# Altium PCB PCB1.PcbDoc
Units mil, origin at the board's own origin, x right, y up, seen from the top; angles counter-clockwise.
Board outline 4471 x 1881 mil, 2 copper layers (Top Layer, Bottom Layer); 46 components, 125 nets, 271 pads, 114 vias.
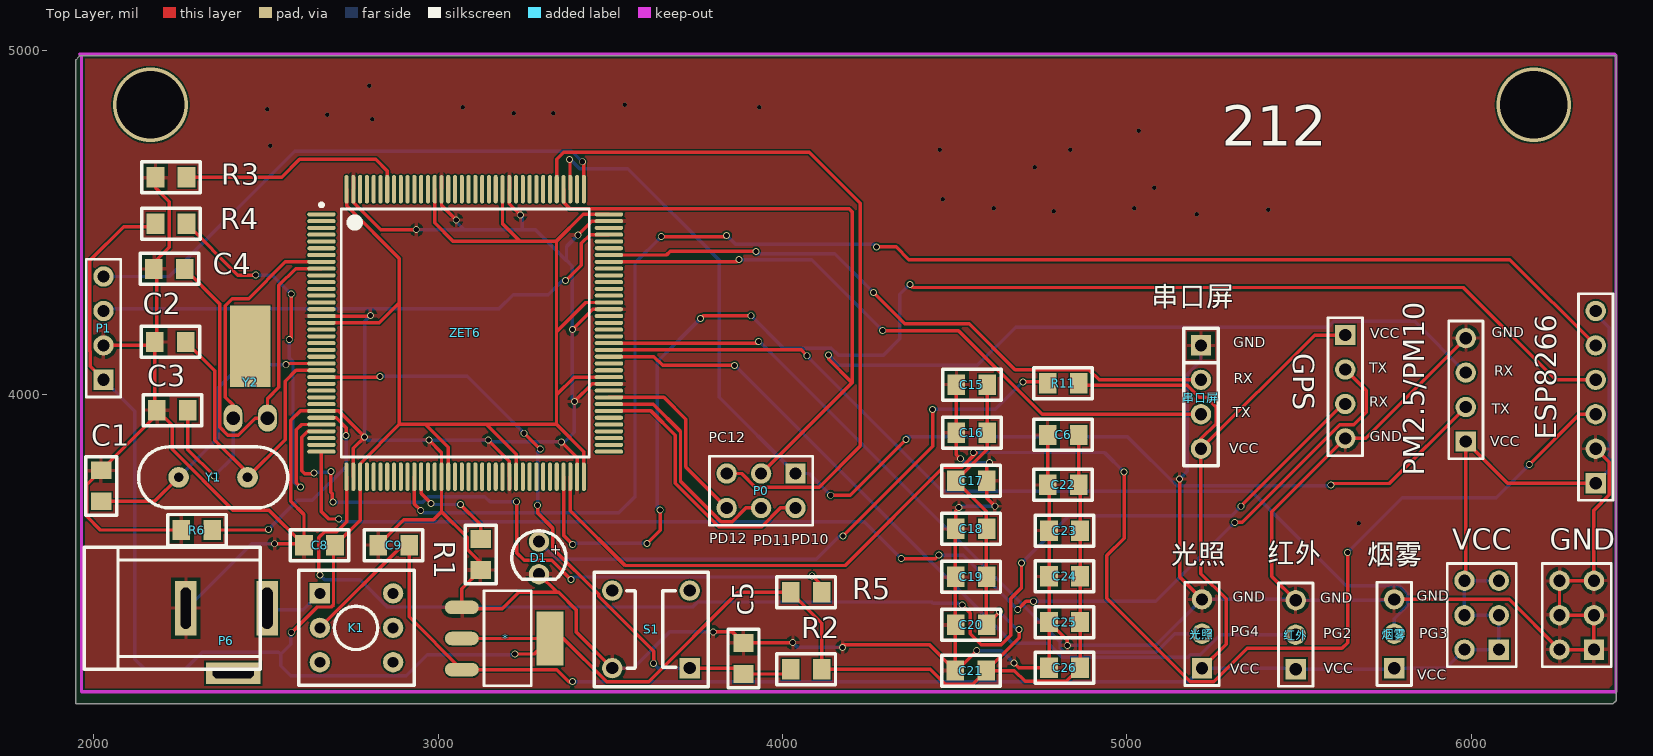
[diagram p0: Top Layer view]
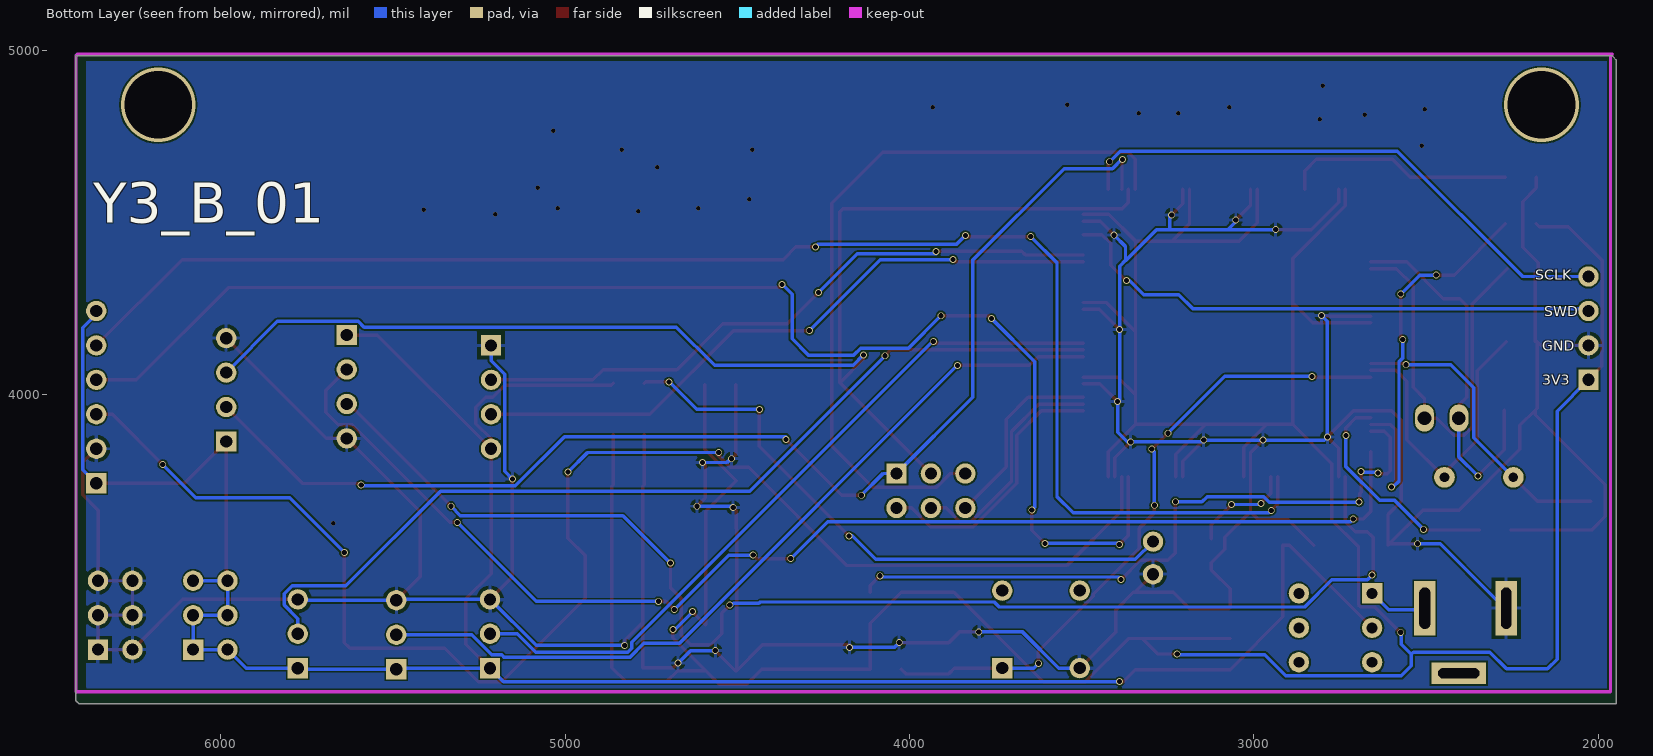
[diagram p1: Bottom Layer view, seen from below]
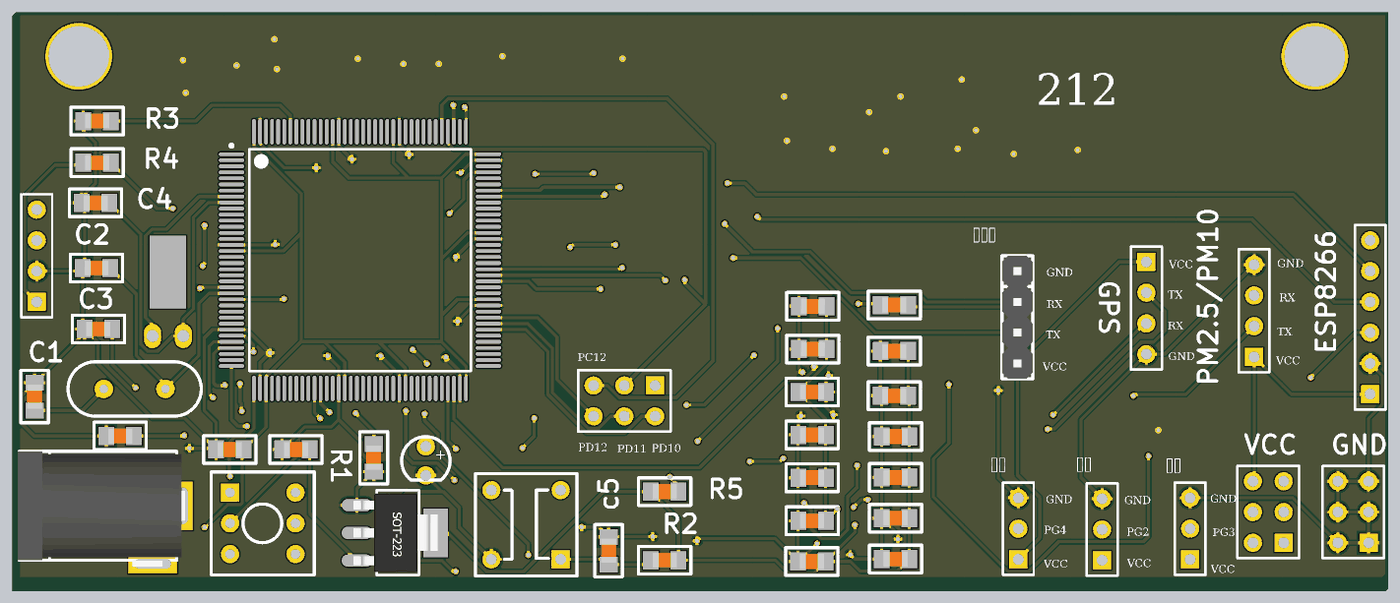
[diagram p2: 3D render of the assembled board from above, using the file's embedded part models]

## Layer stack, top to bottom
Top Layer: signal copper 1.4
Dielectric: dielectric 12.6, FR-4, Dk 4.8
Bottom Layer: signal copper 1.4

## Board outline
1956,4981 1960,4985 6420,4985 6420,3112 6419,3111 6412,3104 1949,3104 1949,4973

## Design rules (kind name [scope] priority, off if disabled: settings)
Clearance [All] p1: gap=5
PolygonConnect [All] p1: connectstyle=Relief reliefconductorwidth=10 reliefentries=4 polygonreliefangle="90 Angle" airgapwidth=10
RoutingVias [All] p1: holewidth=15 width=20 viastyle="Through Hole" minholewidth=15 minwidth=20 maxholewidth=28 maxwidth=50
SilkscreenOverComponentPads [All] p1: minsilkscreentomaskgap=10
SolderMaskExpansion [All] p1: expansion=4
Width [All] p1: maxlimit=10 minlimit=10 preferedwidth=10
27 further rules are at their usual default settings.

## Components (designator, comment, footprint, x,y, rotation, side; value= is the part's Value field where it differs from the comment)
* "ASM1117" SOT-223 3325,3293 r270 top
C1 "Cap" C0805 2022,3736 r270 top
C2 "Cap" C0805 2223,4154 r0 top
C3 "Cap" C0805 2229,3956 r0 top
C4 "Cap" C0805 2220,4366 r0 top
c5 "Cap" C0805 3887,3235 r270 top
C6 "Cap Semi" C0805 4815,3884 r0 top
C8 "Cap" C0805 2656,3564 r0 top
C9 "Cap" C0805 2871,3564 r0 top
C15 "Cap" C0805 4550,4030 r0 top
C16 "Cap" C0805 4550,3890.5 r0 top
C17 "Cap" C0805 4548,3751 r0 top
C18 "Cap" C0805 4548,3611.5 r0 top
C19 "Cap" C0805 4548,3472 r0 top
C20 "Cap" C0805 4548,3332.5 r0 top
C21 "Cap" C0805 4547,3200 r0 top
C22 "Cap" C0805 4815,3739 r0 top
C23 "Cap" C0805 4819,3606.25 r0 top
C24 "Cap" C0805 4819,3473.5 r0 top
C25 "Cap" C0805 4819,3340.75 r0 top
C26 "Cap" C0805 4819,3208 r0 top
D1 "LED3" 3MMLED 3293,3527 r270 top
ESP8266 "A10" HDR1X6 6361,3744 r90 top
GND "Header 3X2H" HDR2X3_CEN 6356,3260.71 r90 top
GPS "Header 4" HDR1X4 5634,4174 r270 top
K1 "BUTTON" BTN8.5*8.5 2657,3424 r0 top
P0 "Header 3X2" HDR2X3 4038,3772 r180 top
P1 "Header 4" HDR1X4 2029,4044 r90 top
P6 "PWR2.5" DCIN 2504,3381 r180 top
PM2.5/PM10 "Header 4" HDR1X4 5984,3865 r90 top
R1 "Res2" C0805 3124,3537 r270 top
R2 "Res2" C0805 4069,3204 r0 top
R3 "Res2" C0805 2225,4632 r180 top
R4 "Res2" C0805 2225,4497 r0 top
R5 "Res2" C0805 4069,3427 r0 top
R6 "Res2" C0805 2300,3608 r180 top
R11 "Res2" C0805 4815,4034 r180 top
S1 "SW-PB" key4 3731,3207 r90 top
VCC "Header 3X2H" HDR2X3_CEN 6080,3260.71 r90 top
Y1 "8MH" XTAL1 2247,3761 r0 top
Y2 "32.76MH" CY-W 2505,3933 r90 top
ZET6 "MCU" LQFP144 3079,4180 r0 top
串口屏 "串口屏" HDR1X4 5215,4144 r270 top
光照 "Header 3" HDR1X3 5218,3206.65 r90 top
烟雾 "Header 3" HDR1X3 5776,3206.65 r90 top
红外 "Header 3" HDR1X3 5490,3204 r90 top

## Footprints (in the part's own frame and the unit in brackets; to place one, negate y for a bottom-side part, rotate by r counter-clockwise, add the part's x,y. Pads: shape width x height; smd on the part's side, far side on the other; paste and mask are expansions set on the pad)
3MMLED [mm]
  round 1.5 hole 0.9: 1(-1.2,0) 2(1.2,0)
  silkscreen extent -2,-2 1.59,2
BTN8.5*8.5 [mm]
  rect 1.5x1.5 hole 0.8: 1(0,0)
  round 1.5 hole 0.8: 2(0,-2.54) 3(0,-5.08) 4(5.4,-5.08) 5(5.4,-2.54) 6(5.4,0)
  silkscreen extent -1.55,-6.79 6.95,1.71
C0805 [mm]
  rect 1.3x1.5 smd: 1(-1.143,0) 2(1.143,0)
  silkscreen extent -2.16,-1.14 2.16,1.14, body extent -1,-0.63 1,0.63, height 0.6
CY-W [mm]
  oval 2x1.4 hole 1: 1(0,2.54) 2(0,0)
  rect 6x3 smd: 3(5.283,1.27)
  body extent 1.27,-0.28 8.33,2.82, height 3
DCIN [mm]
  rect 1.6x4 hole 0.8 slot 3.048 at 90 deg: 1(0,0)
  rect 1.6x4 hole 0.762 slot 3.048 at 90 deg: 2(6,0)
  rect 4x1.6 hole 0.762 slot 3.048 at 0 deg: 3(2.5,4.8)
  silkscreen extent 0.52,-4.5 13.5,4.5, body extent -0.2,-4.5 13.62,5, height 11.2
HDR1X3 [mm] "Connector; Header; 3 Po"
  rect 1.5x1.5 hole 0.9: 1(0,0)
  round 1.5 hole 0.9: 2(2.54,0) 3(5.08,0)
  silkscreen extent -1.27,-1.27 6.35,1.27
HDR1X4 [mm] "Connector; Header; 4 Position"
  rect 1.5x1.5 hole 0.9: 1(0,0)
  round 1.5 hole 0.9: 2(2.54,0) 3(5.08,0) 4(7.62,0)
  silkscreen extent -1.27,-1.27 8.89,1.27
HDR1X6 [mm] "Connector; Header; 6 Position"
  rect 1.5x1.5 hole 0.9: 1(0,0)
  round 1.5 hole 0.9: 2(2.54,0) 3(5.08,0) 4(7.62,0) 5(10.16,0) 6(12.7,0)
  silkscreen extent -1.27,-1.27 13.97,1.27
HDR2X3 [mm] "Connector; Header; 3x2 Position"
  rect 1.5x1.5 hole 0.9: 1(0,0)
  round 1.5 hole 0.9: 2(0,2.54) 3(2.54,0) 4(2.54,2.54) 5(5.08,0) 6(5.08,2.54)
  silkscreen extent -1.27,-1.27 6.35,3.81
HDR2X3_CEN [mm] "Connector; Header; 3x2 Position"
  rect 1.5x1.5 hole 0.9: 1(0,0)
  round 1.5 hole 0.9: 2(2.54,0) 3(5.08,0) 4(0,2.54) 5(2.54,2.54) 6(5.08,2.54)
  silkscreen extent -1.27,-1.27 6.35,3.81
key4 [mm]
  round 1.5 hole 0.9: 1(0,5.715) 3(5.715,0) 4(5.715,5.715)
  rect 1.5x1.5 hole 0.9: 2(0,0)
  silkscreen extent -1.37,-1.35 7.09,7.04
LQFP144 [mm] "144-Pin Thin Quad Flat Pack 0.5 mm Pitch, IPC"
  oval 2.1x0.3 smd: 1(-10.6,8.75) 2(-10.6,8.25) 3(-10.6,7.75) 4(-10.6,7.25) 5(-10.6,6.75) 6(-10.6,6.25) 7(-10.6,5.75) 8(-10.6,5.25) 9(-10.6,4.75) 10(-10.6,4.25) 11(-10.6,3.75) 12(-10.6,3.25) 13(-10.6,2.75) 14(-10.6,2.25) 15(-10.6,1.75) 16(-10.6,1.25) 17(-10.6,0.75) 18(-10.6,0.25) 19(-10.6,-0.25) 20(-10.6,-0.75) 21(-10.6,-1.25) 22(-10.6,-1.75) 23(-10.6,-2.25) 24(-10.6,-2.75) 25(-10.6,-3.25) 26(-10.6,-3.75) 27(-10.6,-4.25) 28(-10.6,-4.75) 29(-10.6,-5.25) 30(-10.6,-5.75) 31(-10.6,-6.25) 32(-10.6,-6.75) 33(-10.6,-7.25) 34(-10.6,-7.75) 35(-10.6,-8.25) 36(-10.6,-8.75) 73(10.6,-8.75) 74(10.6,-8.25) 75(10.6,-7.75) 76(10.6,-7.25) 77(10.6,-6.75) 78(10.6,-6.25) 79(10.6,-5.75) 80(10.6,-5.25) 81(10.6,-4.75) 82(10.6,-4.25) 83(10.6,-3.75) 84(10.6,-3.25) 85(10.6,-2.75) 86(10.6,-2.25) 87(10.6,-1.75) 88(10.6,-1.25) 89(10.6,-0.75) 90(10.6,-0.25) 91(10.6,0.25) 92(10.6,0.75) 93(10.6,1.25) 94(10.6,1.75) 95(10.6,2.25) 96(10.6,2.75) 97(10.6,3.25) 98(10.6,3.75) 99(10.6,4.25) 100(10.6,4.75) 101(10.6,5.25) 102(10.6,5.75) 103(10.6,6.25) 104(10.6,6.75) 105(10.6,7.25) 106(10.6,7.75) 107(10.6,8.25) 108(10.6,8.75)
  oval 0.3x2.1 smd: 37(-8.75,-10.6) 38(-8.25,-10.6) 39(-7.75,-10.6) 40(-7.25,-10.6) 41(-6.75,-10.6) 42(-6.25,-10.6) 43(-5.75,-10.6) 44(-5.25,-10.6) 45(-4.75,-10.6) 46(-4.25,-10.6) 47(-3.75,-10.6) 48(-3.25,-10.6) 49(-2.75,-10.6) 50(-2.25,-10.6) 51(-1.75,-10.6) 52(-1.25,-10.6) 53(-0.75,-10.6) 54(-0.25,-10.6) 55(0.25,-10.6) 56(0.75,-10.6) 57(1.25,-10.6) 58(1.75,-10.6) 59(2.25,-10.6) 60(2.75,-10.6) 61(3.25,-10.6) 62(3.75,-10.6) 63(4.25,-10.6) 64(4.75,-10.6) 65(5.25,-10.6) 66(5.75,-10.6) 67(6.25,-10.6) 68(6.75,-10.6) 69(7.25,-10.6) 70(7.75,-10.6) 71(8.25,-10.6) 72(8.75,-10.6) 109(8.75,10.6) 110(8.25,10.6) 111(7.75,10.6) 112(7.25,10.6) 113(6.75,10.6) 114(6.25,10.6) 115(5.75,10.6) 116(5.25,10.6) 117(4.75,10.6) 118(4.25,10.6) 119(3.75,10.6) 120(3.25,10.6) 121(2.75,10.6) 122(2.25,10.6) 123(1.75,10.6) 124(1.25,10.6) 125(0.75,10.6) 126(0.25,10.6) 127(-0.25,10.6) 128(-0.75,10.6) 129(-1.25,10.6) 130(-1.75,10.6) 131(-2.25,10.6) 132(-2.75,10.6) 133(-3.25,10.6) 134(-3.75,10.6) 135(-4.25,10.6) 136(-4.75,10.6) 137(-5.25,10.6) 138(-5.75,10.6) 139(-6.25,10.6) 140(-6.75,10.6) 141(-7.25,10.6) 142(-7.75,10.6) 143(-8.25,10.6) 144(-8.75,10.6)
  silkscreen extent -10.72,-9.15 9.15,9.57, body extent -10,-10 10,10, height 1.6
SOT-223 [mm]
  oval 1x2.5 smd: 1(-2.29,-6.5) 2(0,-6.5) 3(2.29,-6.5)
  rect 4x2 smd: 2(0,0)
  silkscreen extent -3.52,-4.87 3.48,-1.37, body extent -3.25,-6.78 3.25,0.18, height 1.68
XTAL1 [mil]
  round 60 hole 28: 1(0,0) 2(200,0)
  silkscreen extent -116,-88 316,88, body extent -123,-92 329,92, height 138

## Part data
C1 C2 C3 C4 c5 C8 C9 C15 C16 C17 C18 C19 C20 C21 C22 C23 C24 C25 C26: "Capacitor"
C6: "Capacitor (Semiconductor SIM Model)"
ESP8266 ZET6: library part Component_1
GND VCC: "Header, 3-Pin, Dual row, Right Angle"
GPS P1 PM2.5/PM10: "Header, 4-Pin"
P0: "Header, 3-Pin, Dual row"
P6: "Low Voltage Power Supply Connector"
R1 R2 R3 R4 R5 R6 R11: "Resistor"
Y1: library part XTAL
光照 烟雾 红外: "Header, 3-Pin"

## Via types
v1: diameter 20, hole 15, Top Layer to Bottom Layer, 90 vias
v2: diameter 13, hole 13, Top Layer to Bottom Layer, 22 vias
v3: diameter 216.54, hole 196.85, Top Layer to Bottom Layer, 2 vias

## Nets (pads, with @x,y where several pads share a name; then routed paths per layer and width w, separated by ;. In a path a pad name is that pad's centre, name@x,y a point inside that pad or via, vN(x,y) a via of type N, cw(c..) or ccw(c..) an arc to the next point about the centre after c; other vN are vias at no path point)
BOOT0: R3.1 ZET6.138 | length 671.1
  Top Layer w10: R3.1 2546,4632 2598,4684 2819,4684 2852.62,4650.38 ZET6.138
NetD1_1: D1.1 R11.2 | length 1775.9
  Top Layer w10: v1(4176,3591) 4436,3851 v1(4436,3958) ; v1(4698,4038) 4766,4038 R11.2
  Bottom Layer w10: D1.1 3344.24,3523 4098,3523 4166,3591 v1(4176,3591) ; v1(4436,3958) 4618,3958 v1(4698,4038)
NetK1_1: K1.1 P6.1 | length 172.9
  Bottom Layer w10: P6.1@2504,3376 2609,3376 K1.1
NetP6_3: P6.3
NRST: c5.2 R2.1 S1.2 ZET6.25 | length 1905.1
  Top Layer w10: ZET6.25 2830.05,4052.05 v1(2832,4054) ; v1(3250,3889) 3251,3889 v1(3297,3843) ; v1(3289,3680) 3289,3657.3 3332.53,3613.77 3332.53,3555.47 3466.47,3421.53 3466.47,3415.63 3626,3256.1 v1(3626,3221) ; S1.2 3870,3207 c5.2 4010,3190 R2.1
  Bottom Layer w10: v1(2832,4054) 3085,4054 v1(3250,3889) ; v1(3289,3680) 3289,3835 v1(3297,3843) ; v1(3626,3221) 3640,3207 S1.2
OSC_IN: C1.2 Y1.1 ZET6.23 | length 890.5
  Top Layer w10: C1.2 2177,3691 Y1.1 ; v1(2559,4088) 2562.42,4091.42 ZET6.23
  Bottom Layer w10: Y1.1 2362,3876 2362,4021 2429,4088 v1(2559,4088)
OSC_OUT: C2.2 Y1.2 ZET6.24 | length 910.1
  Top Layer w10: C2.2 2352,4070 2352,3869.07 2447,3774.07 Y1.2 2556,3870 2556,4040 2587.73,4071.73 ZET6.24
PA0: ZET6.34
PA1: ZET6.35
PA2: GPS.2 ZET6.36 | length 3720.8
  Top Layer w10: ZET6.36 2661.68,3661.32 2683,3640 v1(2712,3640) ; v1(4345,3525) 4444,3525 v1(4454,3535) ; v1(4683,3377) 4707,3401 v1(4729,3401) ; v1@5312,3631 5335.1,3631 5617.63,3913.53 5658.53,3913.53 5695,3950 5695,4013 GPS.2
  Bottom Layer w10: v1(2712,3640) 2719.53,3632.47 4237.53,3632.47 v1(4345,3525) ; v1(4454,3535) 4525,3535 v1(4683,3377) ; v1(4729,3401) 5084,3401 v1(5313,3630)
PA3: GPS.3 ZET6.37 | length 3842
  Top Layer w10: v1(2657,3477) 2654,3480 2654,3586.26 2671.27,3603.53 2705.53,3603.53 2734.51,3632.51 ZET6.37 ; v1(4522,3390) 4545,3367 4545,3307 4577,3275 4635,3275 4663,3303 4663,3409.21 4694,3440.21 v1(4694,3512) ; v1(5331,3677) 5628,3974 GPS.3
  Bottom Layer w10: v1(2657,3477) 2670.47,3463.53 2774.17,3463.53 2853.23,3384.47 3739.37,3384.47 3753.9,3399 4433,3399 4437,3395 4511,3395 4516,3390 v1(4522,3390) ; v1(4694,3512) 4832,3650 5304,3650 v1(5331,3677)
PA4: ZET6.40
PA5: ZET6.41
PA6: ZET6.42
PA7: ZET6.43
PA8: ZET6.100
PA9: ZET6.101 串口屏.3 | length 1907.3
  Top Layer w10: ZET6.101 3867.69,4386.69 v1(3874,4393) ; v1(4291,4187) 4511,4187 4754,3944 串口屏.3
  Bottom Layer w10: v1(3874,4393) 4085,4393 v1(4291,4187)
PA10: ZET6.102 串口屏.2 | length 1881.7
  Top Layer w10: ZET6.102 3663.38,4406.38 3674,4417 v1(3923,4417) ; v1(4264,4298) 4355,4207 4541.74,4207 4675.21,4073.53 4889.73,4073.53 4919.26,4044 串口屏.2
  Bottom Layer w10: v1(3923,4417) 3923,4410 4152,4410 v1(4264,4298)
PA11: ZET6.103
PA12: ZET6.104
PA13: P1.3 ZET6.105 | length 1595.9
  Top Layer w10: v1(3370,4332) 3371,4332 3416,4377 3416,4440 3441.43,4465.43 ZET6.105
  Bottom Layer w10: P1.3 2036,4251 3178,4251 3218,4291 3320,4291 3361,4332 v1(3370,4332)
PA14: P1.4 ZET6.109 | length 1635.2
  Top Layer w10: v1(3419,4677) 3423.49,4672.51 ZET6.109
  Bottom Layer w10: P1.4 2220,4344 2584,4708 3388,4708 v1(3419,4677)
PA15: ZET6.110
PB0: ZET6.46
PB1: ESP8266.5 ZET6.47 | length 4382.6
  Top Layer w10: ZET6.47 2931.36,3683.64 v1(2950,3665) ; v1(3648,4460) 3835,4460 v1(3838,4463) ; v1(4273,4430) 4330,4430 4367,4393 6112,4393 ESP8266.5
  Bottom Layer w10: v1(2950,3665) 2957,3658 3525,3658 3572,3705 3572,4384 v1(3648,4460) ; v1(3838,4463) 3864,4437 4266,4437 v1(4273,4430)
PB2: R1.1 ZET6.48 | length 300.4
  Top Layer w10: ZET6.48 2951.05,3713.95 v1(2980,3685) ; v1(3065,3682) 3124,3623 R1.1
  Bottom Layer w10: v1(2980,3685) 2983,3682 v1(3065,3682)
PB3: ZET6.133
PB4: ZET6.134
PB5: ZET6.135
PB6: ZET6.136
PB7: ZET6.137
PB8: ZET6.139
PB9: ZET6.140
PB10: ESP8266.4 ZET6.69 | length 4073.5
  Top Layer w10: ZET6.69 3364.43,3592.57 v1(3391,3566) ; v1(3607,3569) 3645,3607 v1(3645,3666) ; v1(3762,4222) 3770,4230 v1(3909,4230) ; v1(4370,4321) 4379,4312 5977,4312 6245,4044 ESP8266.4
  Bottom Layer w10: v1(3391,3566) 3394,3569 v1(3607,3569) ; v1(3645,3666) 3637,3674 3637,4097 v1(3762,4222) ; v1(3909,4230) 4003,4136 4142.28,4136 4162.28,4116 4294,4116 4341,4163 4341,4292 v1(4370,4321)
PB11: ESP8266.3 ZET6.70 | length 4333
  Top Layer w10: ZET6.70 3384.12,3663.88 3543,3505 4181.88,3505 4467.41,3790.53 4520.81,3790.53 4563.39,3833.11 v1(4553.89,3833.11) ; v1(4992,3776) 4992,3584 4942,3534 4942,3409.45 5184.33,3167.12 5251.67,3167.12 5349.02,3264.47 5624.47,3264.47 5641,3281 v1(5641,3543) ; v1(6168,3798) 6314,3944 ESP8266.3
  Bottom Layer w10: v1(4553.89,3833.11) 4934.89,3833.11 v1(4992,3776) ; v1(5641,3543) 5800,3702 6072,3702 v1(6168,3798)
PB12: ZET6.73
PB13: ZET6.74
PB14: ZET6.75
PB15: ZET6.76
PC0: ZET6.26
PC1: ZET6.27
PC2: ZET6.28
PC3: ZET6.29
PC4: ZET6.44
PC5: ZET6.45
PC6: ZET6.96
PC7: ZET6.97
PC8: ZET6.98
PC9: ZET6.99
PC10: P0.1 PM2.5/PM10.2 ZET6.111 | length 3555.7
  Top Layer w10: v1(3382,4684) 3383.21,4682.79 3383.21,4598.23 ZET6.111 ; v1(4140,3709) 4197,3709 v1(4359,3871) ; v1(5592,3739) 5596,3743 5762,3743 PM2.5/PM10.2
  Bottom Layer w10: v1(3382,4684) 3383.72,4684 3410.72,4657 3551,4657 3816,4392 3816,3994 P0.1 4077,3772 v1(4140,3709) ; v1(4359,3871) 4359,3879 5001.72,3879 5144.72,3736 5589,3736 v1(5592,3739)
PC11: P0.3 PM2.5/PM10.3 ZET6.112 | length 3841.3
  Top Layer w10: ZET6.112 3364.43,4559.08 3383.12,4540.39 4193.61,4540.39 4202,4532 4202,4036 ; P0.3 4202,4036 ; v1(4134,4116) 4134,4104 4202,4036
  Bottom Layer w10: v1(4134,4116) 4164,4086 4566,4086 4677,4197 5583.8,4197 5600.33,4213.53 5835.47,4213.53 PM2.5/PM10.3
PC12: P0.5 ZET6.113 | length 2197.3
  Top Layer w10: ZET6.113 3344.75,4684.75 3365,4705 4078,4705 4226,4557 4226,3851.94 4106.53,3732.47 3921.63,3732.47 3882.1,3772 P0.5
PC13: ZET6.7
PC14: C3.2 Y2.1 ZET6.8 | length 1081.5
  Top Layer w10: C3.2 2274,3841 v1(2350,3765) ; Y2.1 2405,3971 2382,3994 2382,4259.31 2402.69,4280 2450,4280 2556.69,4386.69 ZET6.8
  Bottom Layer w10: v1(2350,3765) 2405,3820 Y2.1
PC15: C4.2 Y2.2 ZET6.9 | length 1212.6
  Top Layer w10: C4.2 2367,4264 2367,3906.07 2389.44,3883.63 2420.56,3883.63 2469.93,3933 Y2.2 2505,3989 2538,4022 2538,4318 2587.01,4367.01 ZET6.9
PD0: ZET6.114
PD1: ZET6.115
PD2: ZET6.116
PD3: ZET6.117
PD4: ZET6.118
PD5: ZET6.119
PD6: ZET6.122
PD7: ZET6.123
PD8: ZET6.77
PD9: ZET6.78
PD10: P0.2 ZET6.79 | length 785
  Top Layer w10: ZET6.79 3618.38,3953.62 3689,3883 3689,3743.89 3815.41,3617.47 3939.37,3617.47 3993.9,3672 P0.2
PD11: P0.4 ZET6.80 | length 683.5
  Top Layer w10: ZET6.80 3624.69,3973.31 3704,3894 3704,3750.1 3821.63,3632.47 3854.37,3632.47 3893.9,3672 P0.4
PD12: P0.6 ZET6.81 | length 556.1
  Top Layer w10: ZET6.81 3656.01,3992.99 3719,3930 3719,3791 P0.6
PD13: ZET6.82
PD14: ZET6.85
PD15: ZET6.86
PE0: ZET6.141
PE1: ZET6.142
PE2: ZET6.1
PE3: ZET6.2
PE4: ZET6.3
PE5: ZET6.4
PE6: ZET6.5
PE7: ZET6.58
PE8: ZET6.59
PE9: ZET6.60
PE10: ZET6.63
PE11: ZET6.64
PE12: ZET6.65
PE13: ZET6.66
PE14: ZET6.67
PE15: ZET6.68
PF0: ZET6.10
PF1: ZET6.11
PF2: ZET6.12
PF3: ZET6.13
PF4: ZET6.14
PF5: ZET6.15
PF6: ZET6.18
PF7: ZET6.19
PF8: ZET6.20
PF9: ZET6.21
PF10: ZET6.22
PF11: ZET6.49
PF12: ZET6.50
PF13: ZET6.53
PF14: ZET6.54
PF15: ZET6.55
PG0: ZET6.56
PG1: ZET6.57
PG2: ZET6.87 红外.2 | length 2382.7
  Top Layer w10: ZET6.87 3626.9,4111.1 3652,4086 v1(3861,4086)
  Bottom Layer w10: v1(3861,4086) 4668,3279 4771.5,3279 4812.5,3238 5176.16,3238 5184.33,3246.17 5213.43,3246.17 5271.25,3304 红外.2
PG3: ZET6.88 烟雾.2 | length 2745.1
  Top Layer w10: ZET6.88 4054.21,4130.79 v1(4071,4114)
  Bottom Layer w10: v1(4071,4114) 4464,3721 5361.65,3721 5636.47,3446.17 5792.37,3446.17 5815.53,3423.02 5815.53,3390.27 5776,3350.75 烟雾.2
PG4: ZET6.89 光照.2 | length 2129.5
  Top Layer w10: ZET6.89 3926.47,4150.47 v1(3931,4155)
  Bottom Layer w10: v1(3931,4155) 3934,4155 4807,3282 4807,3264.72 4818.72,3253 5085.57,3253 5139.21,3306.65 光照.2
PG5: ZET6.90
PG6: ZET6.91
PG7: ZET6.92
PG8: ZET6.93
PG9: ZET6.124
PG10: ZET6.125
PG11: ZET6.126
PG12: ZET6.127
PG13: ZET6.128
PG14: ZET6.129
PG15: ZET6.132
VCC: *.3 C9.2 ESP8266.1 ESP8266.6 GPS.1 K1.2 PM2.5/PM10.1 R11.1 VCC.1 VCC.2 VCC.3 VCC.4 VCC.5 VCC.6 串口屏.4 光照.1 烟雾.1 红外.1 | length 7433.7
  Top Layer w10: K1.2 2897,3564 C9.2 2916,3355.94 *.3 3345.16,3202.84 3380,3168 v1(3390,3168) ; R11.1 4866,4028 5175.1,4028 5210.1,3993 5230,3993 5259,3964 5259,3917 5215,3873 串口屏.4 ; 光照.1 5288,3276.65 5288,3408 5215,3481 串口屏.4 ; GPS.1 5545,4174 串口屏.4 ; VCC.6 5984,3464.71 PM2.5/PM10.1 6105,3744 ESP8266.1
  Bottom Layer w10: v1(3390,3168) 3390.53,3167.47 5178.83,3167.47 光照.1 5487.35,3206.65 红外.1 5773.35,3204 烟雾.1 5925.94,3206.65 VCC.4 VCC.1 VCC.2 VCC.5 VCC.6 VCC.3 ; ESP8266.1 6400.53,3783.53 6400.53,4195.47 6361,4235 ESP8266.6
VDD_1: *.2 C6.2 C8.2 C15.2 C16.2 C17.1 C18.2 C19.2 C20.2 C21.2 C22.2 C23.2 C24.2 C25.2 C26.2 P1.1 R2.2 R4.1 R5.1 ZET6.17 ZET6.39 ZET6.52 ZET6.62 ZET6.72 ZET6.84 ZET6.95 ZET6.108 ZET6.121 ZET6.131 ZET6.144 | length 11271.3
  Top Layer w10: P1.1 1990,4083 1990,4126.57 1989.47,4127.1 1989.47,4390.47 2088,4489 2172,4489 R4.1 ; v1(2574,3311) 2574,3309 2649.47,3384.47 2690.67,3384.47 2696.53,3390.33 2696.53,3559.53 C8.2 2773.88,3636.88 ZET6.39 2773.88,3800.92 2888,3915.04 ; ZET6.17 2829.53,4209.53 2888,4268 ; ZET6.144 2734.51,4549.76 2888,4396.28 2888,4268 ; ZET6.131 2990.42,4499.58 3043.04,4446.96 3237.04,4446.96 ; ZET6.52 3029.79,3848.21 2962.96,3915.04 ; *.2@3069.09,3293 *.2@3325,3293 ; ZET6.121 3187.27,4496.73 3237.04,4446.96 ; v1(3223,3248) 3280,3248 *.2@3325,3293 ; ZET6.62 3226.64,3828.36 3139.96,3915.04 ; ZET6.72 3423.49,3835.51 3343.96,3915.04 ; ZET6.84 3395.05,4052.05 3343.96,4000.96 ; ZET6.95 3428.58,4268.58 3343.96,4183.96 ; ZET6.108 3421.49,4524.49 3343.96,4446.96 ; C20.2@4592,3332.5 4592,3662 C17.1 4595,3843 C16.2 C15.2 ; C20.2 4630,3369.5 v1(4630,3371) ; v1(4687,3319) 4687,3295 C21.2 ; C6.2 C22.2 4864,3735 C23.2 C24.2 C25.2 C26.2 4824.47,3168.47 4704.31,3168.47 4672.79,3200 C21.2 ; 2888,3915.04 2962.96,3915.04 ; 2888,3915.04 2888,4268 ; 2962.96,3915.04 3139.96,3915.04 ; 3139.96,3915.04 3343.96,3915.04 ; 3237.04,4446.96 3343.96,4446.96 ; *.2@3325,3293 3364.1,3293 3489.63,3167.47 3611.53,3167.47 3871.06,3427 R5.1 4114,3337 R2.2 4428.74,3204 4472.27,3160.47 4552.47,3160.47 C21.2 ; 3343.96,3915.04 3343.96,4000.96 ; 3343.96,4000.96 3343.96,4183.96 ; 3343.96,4183.96 3343.96,4446.96
  Bottom Layer w10: P1.1 2120,3953 2120,3233 2148,3205 2267,3205 2315,3253 2537,3253 2543,3247 ; v1(2574,3311) 2572,3309 2572,3276 2543,3247 ; v1(3223,3248) 3221,3246 2969.06,3246 2907.53,3184.47 2572.16,3184.47 2543,3213.63 2543,3247 ; v1(4630,3371) 4682,3319 v1(4687,3319)
VDDA: R5.2 ZET6.33 | length 1993.4
  Top Layer w10: v1(2640,3774) 2637,3771 2613,3771 2604,3780 2604,3877 2621.57,3894.57 ZET6.33 ; v1(2689,3778) 2689,3718 2693,3714 2693,3691 v1(2695,3689) ; v1(3228,3690) 3228,3542 3250,3520 3330,3520 v1(3386,3464) ; v1(4086,3475) 4114,3447 R5.2
  Bottom Layer w10: v1(2640,3774) 2642,3776 2687,3776 v1(2689,3778) ; v1(2695,3689) 2955.72,3689 2971.72,3705 3136,3705 3151,3690 v1(3228,3690) ; v1(3386,3464) 3393.53,3471.53 4082.53,3471.53 v1(4086,3475)
VREF+: R4.2 ZET6.32 | length 1217.5
  Top Layer w10: R4.2 2419,4348 v1(2471,4348) ; v1(2568,4161) 2574,4167 v1(2574,4293) ; v1(2601,3733) 2589,3745 2589,3899 2604.25,3914.25 ZET6.32
  Bottom Layer w10: v1(2471,4348) 2519,4348 v1(2574,4293) ; v1(2568,4161) 2568,4107.28 2579,4096.28 2579,3750 2596,3733 v1(2601,3733)
VREF-: R6.1 ZET6.31 | length 662.2
  Top Layer w10: R6.1 2502,3608 2506,3612 v1(2508,3610) ; ZET6.31 2704.06,3933.94 2733,3905 v1(2733,3882)
  Bottom Layer w10: v1(2508,3610) 2592,3694 2635,3694 2733,3792 v1(2733,3882)
VSS_1: *.1 C1.1 C2.1 C3.1 C4.1 c5.1 C6.1 C8.1 C9.1 C15.1 C16.1 C17.2 C18.1 C19.1 C20.1 C21.1 C22.1 C23.1 C24.1 C25.1 C26.1 D1.2 ESP8266.2 GND.1 GND.2 GND.3 GND.4 GND.5 GND.6 GPS.4 P1.2 P6.2 PM2.5/PM10.4 R1.2 R3.2 R6.2 S1.1 ZET6.16 ZET6.30 ZET6.38 ZET6.51 ZET6.61 ZET6.71 ZET6.83 ZET6.94 ZET6.107 ZET6.120 ZET6.130 ZET6.143 串口屏.1 光照.3 烟雾.3 红外.3 | length 15672.9
  Top Layer w10: P1.2 2168,4144 C2.1 2178,3962 C3.1 ; C4.1 2175,4384 2220,4429 2220,4561 2180,4601 R3.2 ; C2.1@2184,4154 C4.1@2184,4357 ; R6.2 2020,3608 1980,3648 1980,3739 C1.1 2184,3943 C3.1 ; v1(2525,3568) C8.1@2607,3568 ; ZET6.16 2802.21,4229.21 v1(2804,4231) ; ZET6.38 2754.2,3845.2 v1(2787,3878) 2711.38,3953.62 ZET6.30 2599.62,3953.62 2573,3927 2573,3691 2611,3653 C8.1 C8.1@2607,3568 ; ZET6.143 2754.2,4559.08 2833.28,4480 v1(2937,4480) ; C9.1 2900,3638 2987,3638 3010.1,3661.1 ; v1(2974,3869) 3010.1,3832.9 ZET6.51 3010.1,3661.1 ; ZET6.130 3010.1,4550.9 v1(3053,4508) ; v1(3146,3869) 3206.95,3808.05 ZET6.61 ; ZET6.120 3206.95,4555.05 v1(3239,4523) ; D1.2 3345.76,3427 ; v1(3358,3864) 3403.8,3818.2 ZET6.71 ; v1(3390,4190) 3448.9,4248.9 ZET6.94 ; v1(3396,3981) 3447.36,4032.36 ZET6.83 ; v1(3406,4464) 3446.8,4504.8 ZET6.107 ; S1.1 3402,3311 3402,3375 3350,3427 3345.76,3427 ; v1(3799,3312) 3855,3312 c5.1 3888,3281 v1(4030,3281) ; v1(4174,3267) 4174,3275 4427,3275 C21.1 ; C18.1@4502,3610.5 C21.1 ; C18.1 4503,3664 v1(4512,3673) ; C15.1 C16.1 4505,3827 v1(4517,3815) ; v1(4564,3258) 4506,3200 C21.1 ; v1(4601,3804) 4593,3796 C17.2 4593,3701 v1(4617,3677) ; v1(4672,3222) 4686,3208 C26.1 C25.1 ; C6.1 C22.1 4774,3735 C23.1 C24.1 C25.1 ; v1(4827,3273) 4827,3287.75 C25.1 ; v1(5153,3756) 5153,3471.65 光照.3 ; 红外.3 5421,3473 5421,3661 GPS.4 5693,3874 PM2.5/PM10.4 ; 烟雾.3 6110.06,3406.65 GND.4 GND.1 GND.2 GND.5 GND.6 GND.3 6356,3665.8 6400.53,3710.33 6400.53,3804.47 ESP8266.2 ; C3.1 2228,3912 2228,3842 2404,3666 2509,3666 C8.1@2607,3568 ; 3010.1,3661.1 3084.47,3586.73 3084.47,3552.27 3124,3512.74 R1.2 3069.09,3437.09 *.1 3073.25,3379 3186,3379 3234,3427 3345.76,3427
  Bottom Layer w10: P6.2@2267.78,3376 2459.78,3568 v1(2525,3568) ; v1(2804,4231) 2787,4214 v1(2787,3878) 2796,3869 v1(2974,3869) v1(3146,3869) ; v1(2937,4480) 3076,4480 ; v1(3053,4508) 3053,4503 3076,4480 ; v1@3150,3864 v1(3358,3864) 3368,3864 3396,3892 v1(3396,3981) 3390,3987 v1(3390,4190) 3390,4374 3373,4391 ; v1(3239,4523) 3244,4518 3244,4480 ; v1(3406,4464) 3373,4431 3373,4391 ; S1.1 3567,3207 3672,3312 v1(3799,3312) ; v1(4030,3281) 4044,3267 v1(4174,3267) ; v1(4512,3673) 4516,3677 v1(4617,3677) ; v1(4517,3815) 4519,3815 4530,3804 v1(4601,3804) ; v1(4564,3258) 4636,3258 v1(4672,3222) ; v1(4827,3273) 5084.35,3273 光照.3 5487.35,3406.65 红外.3 5773.35,3404 烟雾.3 ; v1(5153,3756) 5175.47,3778.47 5175.47,4060.37 5215,4099.9 串口屏.1 ; 3076,4480 3244,4480 ; 3244,4480 3283,4480 3373,4390 3373,4391
  other v2: 5673,3627 5203,4525 4788,4534 5411,4538 4614,4542 5021,4542 4466,4568 5080,4602 4733,4661 4457,4712 4835,4712 2513,4724 5034,4767 2809,4801 2678,4813 3220,4818 3335,4818 2504,4830 3072,4835 3932,4835 3542,4843 2801,4898
pads on no net: K1.3 K1.4 K1.5 K1.6 S1.3 S1.4 Y2.3 ZET6.6 ZET6.106
copper on no net:
  other v3: 2165.35,4842.52 6181.1,4842.52

## Polygon pours and split planes (outlines as drawn)
VSS_1 on Top Layer "Top Layer-No Net" (solid, pour order 6): 1976,4976 1965,4965 1965,3139 6390,3139 6401,3150 6411,3160 6411,4976 1966,4976 1961,4971
VSS_1 on Bottom Layer "Top Layer-No Net" (solid, pour order 8): 1965,4965 1969,4969 6390,4969 6390,3152 6404,3138 6403,3139 1965,3139 1965,4941

## Keep-outs
Keep-Out Layer:
  lines w10: 1960,4990 1965,4985 1965,3139 6420,3139 6420,4985 6415,4990 1960,4990

## Silkscreen, mask and mechanical layers (free items; w line width, h text height)
Top Overlay:
  text "212" at 5275.59,4685.04 h200
  text "串口屏" at 5070,4238 h100
  text "GND" at 6059,4157 h50
  text "VCC" at 5707,4154 h50
  text "GND" at 5309,4128 h50
  text "TX" at 5704,4055 h50
  text "RX" at 6066,4046 h50
  text "RX" at 5310,4024 h50
  text "RX" at 5703,3955 h50
  text "TX" at 6059,3935 h50
  text "TX" at 5307,3925 h50
  text "GND" at 5705,3855 h50
  text "PC12" at 3786,3852 h50
  text "VCC" at 6055,3841 h50
  text "VCC" at 5297,3821 h50
  text "PD12" at 3788,3559 h50
  text "PD10" at 4026,3556 h50
  text "PD11" at 3915,3554 h50
  text "红外" at 5407,3492 h100
  text "光照" at 5128,3490 h100
  text "烟雾" at 5698,3488 h100
  text "GND" at 5841,3392 h50
  text "GND" at 5307,3390 h50
  text "GND" at 5562,3387 h50
  text "PG4" at 5301,3290 h50
  text "PG2" at 5570,3284 h50
  text "PG3" at 5849,3283 h50
  text "VCC" at 5571,3182 h50
  text "VCC" at 5300,3180 h50
  text "VCC" at 5843,3163 h50
Bottom Overlay:
  text "Y3_B_01" at 6370,4461 h200
  text "SCLK" at 2183,4325 h50
  text "SWD" at 2157,4219 h50
  text "GND" at 2163,4118 h50
  text "3V3" at 2163,4019 h50

## Text inside footprints (layer, text, board x,y; h text height)
D1: Top Overlay "+" at 3328.47,3568.63 h31.5 r270